# Altium PCB Double-Width Hub Bridge.PcbDoc (part 2 of 3)
Units mm, origin at the board's own origin, x right, y up, seen from the top; angles counter-clockwise.
Board outline 120 x 42.8 mm, 10 copper layers (Top Layer, Layer 2, Layer 3, Layer 4, Layer 5, Layer 6, Layer 7, Layer 8, Layer 9, Bottom Layer), stack 1.595 mm thick; 132 components, 172 nets, 1094 pads, 369 vias.
Unrouted connection lines stored in the file: 40.
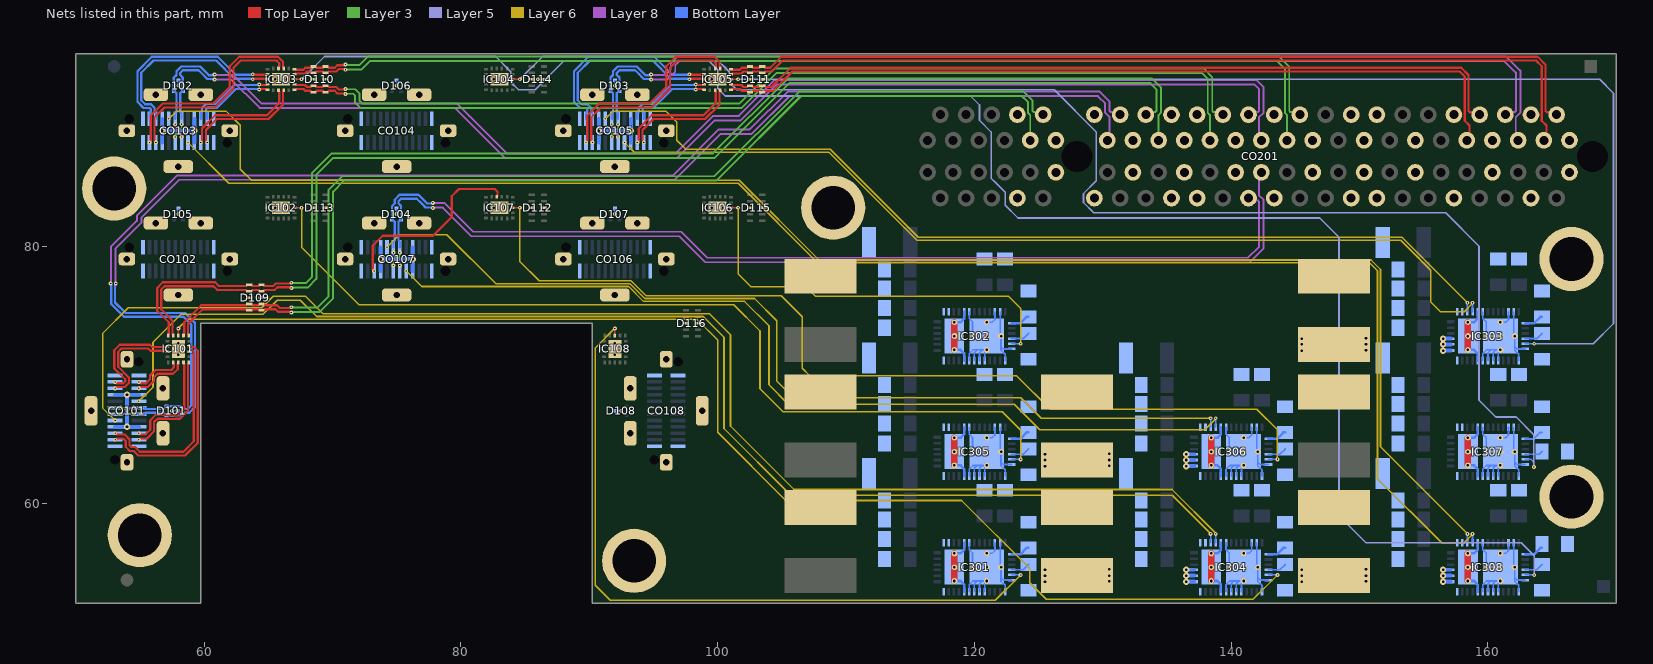
[diagram p10: the nets of this part, all layers, seen from the top]

## Via types
v1: diameter 0.3, hole 0.1, Top Layer to Bottom Layer, 185 vias
v2: diameter 0.5, hole 0.2, Top Layer to Bottom Layer, 104 vias
v3: diameter 0.45, hole 0.2, Top Layer to Bottom Layer, 80 vias

## Nets (pads, with @x,y where several pads share a name; then routed paths per layer and width w, separated by ;. In a path a pad name is that pad's centre, name@x,y a point inside that pad or via, vN(x,y) a via of type N, cw(c..) or ccw(c..) an arc to the next point about the centre after c; other vN are vias at no path point) (continued)
GND: C301.2 C302.2 C303.2 C304.2 C305.2 C306.2 C307.2 C308.2 C309.2 C310.2 C311.2 C312.2 C313.2 C314.2 C315.2 C316.2 C317.2 C318.2 C319.2 C320.2 C321.2 C322.2 C323.2 C324.2 C325.2 C326.2 C327.2 C328.2 C329.2 C330.2 C331.2 C332.2 C333.2 C334.2 C335.2 C336.2 C338.2 C340.2 C342.2 C344.2 C345.2 C346.2 C347.2 C348.2 C349.2 C350.2 C351.2 C352.2 C353.2 C354.2 C355.2 C356.2 C357.2 C358.2 C359.2 C360.2 C361.2 C362.2 C363.2 C364.2 C365.2 C366.2 C367.2 C368.2 C369.2 C370.2 C371.2 C372.2 C373.2 C374.2 C375.2 C376.2 C377.2 C378.2 C379.2 C380.2 C382.2 C384.2 C386.2 C388.2 CO101.1 CO101.12 CO101.21 CO101.32 CO101.SH CO102.1 CO102.12 CO102.21 CO102.32 CO102.SH CO103.1 CO103.12 CO103.21 CO103.32 CO103.SH CO104.1 CO104.12 CO104.21 CO104.32 CO104.SH CO105.1 CO105.12 CO105.21 CO105.32 CO105.SH CO106.1 CO106.12 CO106.21 CO106.32 CO106.SH CO107.1 CO107.12 CO107.21 CO107.32 CO107.SH CO108.1 CO108.12 CO108.21 CO108.32 CO108.SH CO201.A8 CO201.A11 CO201.A12 CO201.A15 CO201.A18 CO201.A19 CO201.A20 CO201.A23 CO201.A26 CO201.A29 CO201.A32 CO201.A33 CO201.A34 CO201.A37 CO201.A40 CO201.A43 CO201.A46 CO201.A49 CO201.B8 CO201.B11 CO201.B12 CO201.B15 CO201.B18 CO201.B19 CO201.B20 CO201.B23 CO201.B26 CO201.B29 CO201.B32 CO201.B33 CO201.B34 CO201.B37 CO201.B40 CO201.B43 CO201.B46 CO201.B49 D101.3 D102.3 D103.3 D104.3 D105.3 D106.3 D107.3 D108.3 D109.3 D109.8 D110.3 D110.8 D111.3 D111.8 D112.3 D112.8 D113.3 D113.8 D114.3 D114.8 D115.3 D115.8 D116.3 D116.8 H1.1 H2.1 H3.1 H4.1 H5.1 H6.1 IC101.19 IC102.19 IC103.19 IC104.19 IC105.19 IC106.19 IC107.19 IC108.19 IC301.6 IC301.7 IC301.11 IC301.12 IC301.13 IC301.14 IC301.19 IC301.26 IC301.27 IC301.31 IC301.36 IC301.37 IC301.39 IC302.6 IC302.7 IC302.11 IC302.12 IC302.13 IC302.14 IC302.19 IC302.26 IC302.27 IC302.31 IC302.36 IC302.37 IC302.39 IC303.6 IC303.7 IC303.11 IC303.12 IC303.13 IC303.14 IC303.19 IC303.26 IC303.27 IC303.31 IC303.36 IC303.37 IC303.39 IC304.6 IC304.7 IC304.11 IC304.12 IC304.13 IC304.14 IC304.19 IC304.26 IC304.27 IC304.31 IC304.36 IC304.37 IC304.39 IC305.6 IC305.7 IC305.11 IC305.12 IC305.13 IC305.14 IC305.19 IC305.26 IC305.27 IC305.31 IC305.36 IC305.37 IC305.39 IC306.6 IC306.7 IC306.11 IC306.12 IC306.13 IC306.14 IC306.19 IC306.26 IC306.27 IC306.31 IC306.36 IC306.37 IC306.39 IC307.6 IC307.7 IC307.11 IC307.12 IC307.13 IC307.14 IC307.19 IC307.26 IC307.27 IC307.31 IC307.36 IC307.37 IC307.39 IC308.6 IC308.7 IC308.11 IC308.12 IC308.13 IC308.14 IC308.19 IC308.26 IC308.27 IC308.31 IC308.36 IC308.37 IC308.39 | length 107.1
  Bottom Layer w0.127: v1(57.5,67.18) D101.3@57.925,67.18 ; v1(58,82.5) D105.3@58,82.925 ; v1(58,92.5) D102.3@58,92.925 ; v1(75,82.5) D104.3@75,82.925 ; v1(75,92.5) D106.3@75,92.925 ; v1(92,82.5) D107.3@92,82.925 ; v1(92,92.5) D103.3@92,92.925 ; D108.3@92.075,67.18 v1(92.5,67.18) ; IC301.14@119.6,53.1 119.6,53.635 119.89,53.925 IC301.39@120.222,53.925 ; IC301.31@119.6,56.9 119.6,56.365 119.855,56.11 v3(119.855,55) ; IC305.14@119.6,62.1 119.6,62.635 119.89,62.925 IC305.39@120.222,62.925 ; IC305.31@119.6,65.9 119.6,65.365 119.855,65.11 v3(119.855,64) ; IC302.14@119.6,71.1 119.6,71.635 119.89,71.925 IC302.39@120.222,71.925 ; IC302.31@119.6,74.9 119.6,74.365 119.855,74.11 v3(119.855,73) ; IC301.13@120,53.1 120,53.703 IC301.39@120.222,53.925 ; IC305.13@120,62.1 120,62.703 IC305.39@120.222,62.925 ; IC302.13@120,71.1 120,71.703 IC302.39@120.222,71.925 ; IC301.12@120.4,53.1 120.4,53.703 IC301.39@120.622,53.925 ; IC305.12@120.4,62.1 120.4,62.703 IC305.39@120.622,62.925 ; IC302.12@120.4,71.1 120.4,71.703 IC302.39@120.622,71.925 ; IC301.11@120.8,53.1 120.8,53.76 v3(120.965,53.925) IC301.39@120.622,53.925 ; IC305.11@120.8,62.1 120.8,62.76 v3(120.965,62.925) IC305.39@120.622,62.925 ; IC302.11@120.8,71.1 120.8,71.76 v3(120.965,71.925) IC302.39@120.622,71.925 ; v3(120.965,56.075) 121.378,56.075 121.6,56.296 IC301.36@121.6,56.9 ; v3(120.965,65.075) 121.378,65.075 121.6,65.296 IC305.36@121.6,65.9 ; v3(120.965,74.075) 121.378,74.075 121.6,74.296 IC302.36@121.6,74.9 ; IC301.37@122,56.9 122,55.075 v3(122.075,55) IC301.39@122.075,54.186 ; IC305.37@122,65.9 122,64.075 v3(122.075,64) IC305.39@122.075,63.186 ; IC302.37@122,74.9 122,73.075 v3(122.075,73) IC302.39@122.075,72.186 ; IC301.7@122.4,53.1 122.4,53.59 122.287,53.703 122.262,53.703 122.075,53.89 IC301.39@122.075,54.186 ; IC305.7@122.4,62.1 122.4,62.59 122.287,62.703 122.262,62.703 122.075,62.89 IC305.39@122.075,63.186 ; IC302.7@122.4,71.1 122.4,71.59 122.287,71.703 122.262,71.703 122.075,71.89 IC302.39@122.075,72.186 ; IC301.6@122.9,54 122.262,54 IC301.39@122.075,54.186 ; IC305.6@122.9,63 122.262,63 IC305.39@122.075,63.186 ; IC302.6@122.9,72 122.262,72 IC302.39@122.075,72.186 ; IC304.14@139.6,53.1 139.6,53.635 139.89,53.925 IC304.39@140.222,53.925 ; IC304.31@139.6,56.9 139.6,56.365 139.855,56.11 v3(139.855,55) ; IC306.14@139.6,62.1 139.6,62.635 139.89,62.925 IC306.39@140.222,62.925 ; IC306.31@139.6,65.9 139.6,65.365 139.855,65.11 v3(139.855,64) ; IC304.13@140,53.1 140,53.703 IC304.39@140.222,53.925 ; IC306.13@140,62.1 140,62.703 IC306.39@140.222,62.925 ; IC304.12@140.4,53.1 140.4,53.703 IC304.39@140.621,53.925 ; IC306.12@140.4,62.1 140.4,62.703 IC306.39@140.621,62.925 ; IC304.11@140.8,53.1 140.8,53.76 v3(140.965,53.925) IC304.39@140.621,53.925 ; IC306.11@140.8,62.1 140.8,62.76 v3(140.965,62.925) IC306.39@140.621,62.925 ; v3(140.965,56.075) 141.378,56.075 141.6,56.296 IC304.36@141.6,56.9 ; v3(140.965,65.075) 141.378,65.075 141.6,65.296 IC306.36@141.6,65.9 ; IC304.37@142,56.9 142,55.075 v3(142.075,55) IC304.39@142.075,54.186 ; IC306.37@142,65.9 142,64.075 v3(142.075,64) IC306.39@142.075,63.186 ; IC304.7@142.4,53.1 142.4,53.59 142.287,53.703 142.261,53.703 142.075,53.89 IC304.39@142.075,54.186 ; IC306.7@142.4,62.1 142.4,62.59 142.287,62.703 142.261,62.703 142.075,62.89 IC306.39@142.075,63.186 ; IC304.6@142.9,54 142.261,54 IC304.39@142.075,54.186 ; IC306.6@142.9,63 142.261,63 IC306.39@142.075,63.186 ; IC308.14@159.6,53.1 159.6,53.635 159.89,53.925 IC308.39@160.222,53.925 ; IC308.31@159.6,56.9 159.6,56.365 159.855,56.11 v3(159.855,55) ; IC307.14@159.6,62.1 159.6,62.635 159.89,62.925 IC307.39@160.222,62.925 ; IC307.31@159.6,65.9 159.6,65.365 159.855,65.11 v3(159.855,64) ; IC303.14@159.6,71.1 159.6,71.635 159.89,71.925 IC303.39@160.222,71.925 ; IC303.31@159.6,74.9 159.6,74.365 159.855,74.11 v3(159.855,73) ; IC308.13@160,53.1 160,53.703 IC308.39@160.222,53.925 ; IC307.13@160,62.1 160,62.703 IC307.39@160.222,62.925 ; IC303.13@160,71.1 160,71.703 IC303.39@160.222,71.925 ; IC308.12@160.4,53.1 160.4,53.703 IC308.39@160.621,53.925 ; IC307.12@160.4,62.1 160.4,62.703 IC307.39@160.621,62.925 ; IC303.12@160.4,71.1 160.4,71.703 IC303.39@160.621,71.925 ; IC308.11@160.8,53.1 160.8,53.76 v3(160.965,53.925) IC308.39@160.621,53.925 ; IC307.11@160.8,62.1 160.8,62.76 v3(160.965,62.925) IC307.39@160.621,62.925 ; IC303.11@160.8,71.1 160.8,71.76 v3(160.965,71.925) IC303.39@160.621,71.925 ; v3(160.965,56.075) 161.378,56.075 161.6,56.296 IC308.36@161.6,56.9 ; v3(160.965,65.075) 161.378,65.075 161.6,65.296 IC307.36@161.6,65.9 ; v3(160.965,74.075) 161.378,74.075 161.6,74.296 IC303.36@161.6,74.9 ; IC308.37@162,56.9 162,55.075 v3(162.075,55) IC308.39@162.075,54.186 ; IC307.37@162,65.9 162,64.075 v3(162.075,64) IC307.39@162.075,63.186 ; IC303.37@162,74.9 162,73.075 v3(162.075,73) IC303.39@162.075,72.186 ; IC308.7@162.4,53.1 162.4,53.59 162.287,53.703 162.261,53.703 162.075,53.89 IC308.39@162.075,54.186 ; IC307.7@162.4,62.1 162.4,62.59 162.287,62.703 162.261,62.703 162.075,62.89 IC307.39@162.075,63.186 ; IC303.7@162.4,71.1 162.4,71.59 162.287,71.703 162.261,71.703 162.075,71.89 IC303.39@162.075,72.186 ; IC308.6@162.9,54 162.261,54 IC308.39@162.075,54.186 ; IC307.6@162.9,63 162.261,63 IC307.39@162.075,63.186 ; IC303.6@162.9,72 162.261,72 IC303.39@162.075,72.186 ; IC301.39@120.222,53.925 IC301.39@120.622,53.925 ; IC305.39@120.222,62.925 IC305.39@120.622,62.925 ; IC302.39@120.222,71.925 IC302.39@120.622,71.925 ; IC304.39@140.222,53.925 IC304.39@140.621,53.925 ; IC306.39@140.222,62.925 IC306.39@140.621,62.925 ; IC308.39@160.222,53.925 IC308.39@160.621,53.925 ; IC307.39@160.222,62.925 IC307.39@160.621,62.925 ; IC303.39@160.222,71.925 IC303.39@160.621,71.925
  other v1: 86,93
  other v3: 120.965,55 140.965,55 160.965,55 120.965,64 140.965,64 160.965,64 58,71.55 92,71.55 58,72.45 92,72.45 120.965,73 160.965,73 65.55,83 66.45,83 82.55,83 83.45,83 99.55,83 100.45,83 65.55,93 66.45,93 82.55,93 83.45,93 99.55,93 100.45,93
U0_DRAIN: IC304.15 IC304.30 IC304.40 | length 5
  Top Layer w0.5: v3(138.44,53.925) v3(138.44,55) v3(138.44,56.075)
  Bottom Layer w0.2: v3(138.44,53.925) 138.92,53.925 139.2,53.645 IC304.15@139.2,53.1 ; v3(138.44,56.075) 138.92,56.075 139.2,56.355 IC304.30@139.2,56.9
U0_LDO_1V5: C330.1 IC304.4 | length 1.5
  Bottom Layer w0.15: IC304.4@142.9,54.8 143.8,54.8 C330.1@144.2,55.2
U0_LDO_3V3: C329.1 IC304.1 | length 1.5
  Bottom Layer w0.2: IC304.1@142.9,56 143.575,56 144.075,56.5 C329.1@144.2,56.5
U0_SEL: IC101.16 IC304.5 | length 101.8
  Top Layer w0.127: IC101.16@58,73.05 v1(58,73.6)
  Layer 6 w0.127: v1(58,73.6) 58.7,74.3 98.4,74.3 100,72.7 100,65.5 105.3,60.2 119,60.2 124.3,54.9 124.3,53.8 125.6,52.5 141.7,52.5 v1(143.6,54.4)
  Bottom Layer w0.127: IC304.5@142.9,54.4 v1(143.6,54.4)
U1_DRAIN: IC308.15 IC308.30 IC308.40 | length 5
  Top Layer w0.5: v3(158.44,53.925) v3(158.44,55) v3(158.44,56.075)
  Bottom Layer w0.2: v3(158.44,53.925) 158.92,53.925 159.2,53.645 IC308.15@159.2,53.1 ; v3(158.44,56.075) 158.92,56.075 159.2,56.355 IC308.30@159.2,56.9
U1_LDO_1V5: C374.1 IC308.4 | length 1.5
  Bottom Layer w0.15: IC308.4@162.9,54.8 163.8,54.8 C374.1@164.2,55.2
U1_LDO_3V3: C373.1 IC308.1 | length 1.5
  Bottom Layer w0.2: IC308.1@162.9,56 163.575,56 164.075,56.5 C373.1@164.2,56.5
U1_SEL: IC103.16 IC308.5 | length 134.9
  Top Layer w0.127: IC103.16@67.05,93 v1(67.6,93)
  Layer 5 w0.127: v1(67.6,93) 69.382,94.782 82.718,94.782 83.9,93.6 83.9,92.775 84.488,92.187 85.787,92.187 88,94.4 99.35,94.4 100,93.75 100,92.3 100.6,91.7 119.7,91.7 120.4,91 120.4,89.8 121.3,88.9 121.3,85.3 121.7,84.9 122.4,84.2 122.4,83.2 123.4,82.2 146.9,82.2 148.4,80.7 148.4,59 150.5,56.9 162.6,56.9 163.6,55.9 v1(163.6,54.4)
  Bottom Layer w0.127: IC308.5@162.9,54.4 v1(163.6,54.4)
U2_DRAIN: IC303.15 IC303.30 IC303.40 | length 5
  Top Layer w0.5: v3(158.44,71.925) v3(158.44,73) v3(158.44,74.075)
  Bottom Layer w0.2: v3(158.44,71.925) 158.92,71.925 159.2,71.645 IC303.15@159.2,71.1 ; v3(158.44,74.075) 158.92,74.075 159.2,74.355 IC303.30@159.2,74.9
U2_LDO_1V5: C321.1 IC303.4 | length 1.5
  Bottom Layer w0.15: IC303.4@162.9,72.8 163.8,72.8 C321.1@164.2,73.2
U2_LDO_3V3: C320.1 IC303.1 | length 1.5
  Bottom Layer w0.2: IC303.1@162.9,74 163.575,74 164.075,74.5 C320.1@164.2,74.5
U2_SEL: IC105.16 IC303.5 | length 94.7
  Top Layer w0.127: IC105.16@101.05,93 v1(101.6,93)
  Layer 5 w0.127: v1(101.6,93) 168.7,93 169.782,91.918 169.782,73.982 168.2,72.4 v1(163.6,72.4)
  Bottom Layer w0.127: IC303.5@162.9,72.4 v1(163.6,72.4)
U3_DRAIN: IC306.15 IC306.30 IC306.40 | length 5
  Top Layer w0.5: v3(138.44,62.925) v3(138.44,64) v3(138.44,65.075)
  Bottom Layer w0.2: v3(138.44,62.925) 138.92,62.925 139.2,62.645 IC306.15@139.2,62.1 ; v3(138.44,65.075) 138.92,65.075 139.2,65.355 IC306.30@139.2,65.9
U3_LDO_1V5: C356.1 IC306.4 | length 1.5
  Bottom Layer w0.15: IC306.4@142.9,63.8 143.8,63.8 C356.1@144.2,64.2
U3_LDO_3V3: C355.1 IC306.1 | length 1.5
  Bottom Layer w0.2: IC306.1@142.9,65 143.575,65 144.075,65.5 C355.1@144.2,65.5
U3_SEL: IC107.16 IC306.5 | length 74.5
  Top Layer w0.127: IC107.16@84.05,83 v1(84.6,83)
  Layer 6 w0.127: v1(84.6,83) 84.6,78.818 86.1,77.318 93.259,77.318 94.423,76.154 104.946,76.154 106.6,74.5 106.6,70.5 107.2,69.9 123.3,69.9 125.9,67.3 142,67.3 143.6,65.7 v1(143.6,63.4)
  Bottom Layer w0.127: IC306.5@142.9,63.4 v1(143.6,63.4)
U4_DRAIN: IC305.15 IC305.30 IC305.40 | length 5
  Top Layer w0.5: v3(118.44,62.925) v3(118.44,64) v3(118.44,65.075)
  Bottom Layer w0.2: v3(118.44,62.925) 118.92,62.925 119.2,62.645 IC305.15@119.2,62.1 ; v3(118.44,65.075) 118.92,65.075 119.2,65.355 IC305.30@119.2,65.9
U4_LDO_1V5: C347.1 IC305.4 | length 1.5
  Bottom Layer w0.15: IC305.4@122.9,63.8 123.8,63.8 C347.1@124.2,64.2
U4_LDO_3V3: C346.1 IC305.1 | length 1.5
  Bottom Layer w0.2: IC305.1@122.9,65 123.575,65 124.075,65.5 C346.1@124.2,65.5
U4_SEL: IC102.16 IC305.5 | length 71.2
  Top Layer w0.127: IC102.16@67.05,83 v1(67.6,83)
  Layer 6 w0.127: v1(67.6,83) 67.6,79.9 72.065,75.435 101.265,75.435 103.3,73.4 103.3,68.9 105.1,67.1 122.175,67.1 123.6,65.675 v1(123.6,63.4)
  Bottom Layer w0.127: IC305.5@122.9,63.4 v1(123.6,63.4)
U5_DRAIN: IC307.15 IC307.30 IC307.40 | length 5
  Top Layer w0.5: v3(158.44,62.925) v3(158.44,64) v3(158.44,65.075)
  Bottom Layer w0.2: v3(158.44,62.925) 158.92,62.925 159.2,62.645 IC307.15@159.2,62.1 ; v3(158.44,65.075) 158.92,65.075 159.2,65.355 IC307.30@159.2,65.9
U5_LDO_1V5: C365.1 IC307.4 | length 1.4
  Bottom Layer w0.15: IC307.4@162.9,63.8 164,63.8 C365.1@164.2,64
U5_LDO_3V3: C364.1 IC307.1 | length 1.5
  Bottom Layer w0.15: IC307.1@162.9,65 163.575,65 164.075,65.5 C364.1@164.2,65.5
U5_SEL: IC104.16 IC307.5 | length 108.3
  Top Layer w0.127: IC104.16@84.05,93 v1(84.6,93)
  Layer 5 w0.127: v1(84.6,93) 86.382,94.782 99.718,94.782 100.9,93.6 100.9,92.775 101.488,92.187 126.213,92.187 129.5,88.9 129.5,85.1 128.5,84.1 128.5,83.4 129.3,82.6 156.7,82.6 159.3,80 159.3,68 160.6,66.7 162.2,66.7 163.575,65.325 v1(163.575,62.8)
  Bottom Layer w0.127: IC307.5@162.9,63.4 163.35,63.4 163.575,63.175 v1(163.575,62.8)
U6_DRAIN: IC302.15 IC302.30 IC302.40 | length 5
  Top Layer w0.5: v3(118.44,71.925) v3(118.44,73) v3(118.44,74.075)
  Bottom Layer w0.2: v3(118.44,71.925) 118.92,71.925 119.2,71.645 IC302.15@119.2,71.1 ; v3(118.44,74.075) 118.92,74.075 119.2,74.355 IC302.30@119.2,74.9
U6_LDO_1V5: C312.1 IC302.4 | length 1.5
  Bottom Layer w0.15: IC302.4@122.9,72.8 123.8,72.8 C312.1@124.2,73.2
U6_LDO_3V3: C311.1 IC302.1 | length 1.5
  Bottom Layer w0.2: IC302.1@122.9,74 123.575,74 124.075,74.5 C311.1@124.2,74.5
U6_SEL: IC106.16 IC302.5 | length 32.3
  Top Layer w0.127: IC106.16@101.05,83 v1(101.6,83)
  Layer 6 w0.127: v1(101.6,83) 101.6,77.835 102.6,76.835 106.886,76.835 107.621,76.1 122.65,76.1 123.6,75.15 v1(123.6,72.4)
  Bottom Layer w0.127: IC302.5@122.9,72.4 v1(123.6,72.4)
U7_DRAIN: IC301.15 IC301.30 IC301.40 | length 5
  Top Layer w0.5: v3(118.44,53.925) v3(118.44,55) v3(118.44,56.075)
  Bottom Layer w0.2: v3(118.44,53.925) 118.92,53.925 119.2,53.645 IC301.15@119.2,53.1 ; v3(118.44,56.075) 118.92,56.075 119.2,56.355 IC301.30@119.2,56.9
U7_LDO_1V5: C303.1 IC301.4 | length 1.5
  Bottom Layer w0.15: IC301.4@122.9,54.8 123.8,54.8 C303.1@124.2,55.2
U7_LDO_3V3: C302.1 IC301.1 | length 1.5
  Bottom Layer w0.2: IC301.1@122.9,56 123.575,56 124.075,56.5 C302.1@124.2,56.5
U7_SEL: IC108.16 IC301.5 | length 56.3
  Top Layer w0.127: IC108.16@92,73.05 v1(92,73.6)
  Layer 6 w0.127: v1(92,73.6) 90.468,72.068 90.468,53.6 91.65,52.418 121.618,52.418 v1(123.6,54.4)
  Bottom Layer w0.127: IC301.5@122.9,54.4 v1(123.6,54.4)
USB0_5V: C344.1 CO101.4 CO101.9 CO101.24 CO101.29 IC304.20 IC304.21 IC304.22 | length 8
  Bottom Layer w0.3: CO101.24@53.075,65.93 v2(54,65.93) ; CO101.29@53.075,68.43 v2(54,68.43) ; CO101.9@54.925,65.93 v2(54,65.93) ; CO101.4@54.925,68.43 v2(54,68.43) ; v2(136.5,53.875) IC304.20@137.1,53.875 ; v2(136.5,54.35) IC304.21@137.1,54.35 ; v2(136.5,54.8) IC304.22@137.1,54.8 ; v2(54,65.93) v2(54,68.43)
  other v2: 125.5,53.875 130.5,53.9 125.5,54.35 130.5,54.35 125.5,54.8 130.5,54.825
USB0_CC1: CO101.5 IC304.28 | length 101.2
  Layer 6 w0.127: v1(54.925,67.93) 56.022,69.027 56.022,72.522 58.2,74.7 64.6,74.7 65.7,75.8 67.5,75.8 68.773,74.527 98.873,74.527 100.5,72.9 100.5,65.8 105.7,60.6 135.4,60.6 v1(138.4,57.6)
  Bottom Layer w0.127: IC304.28@138.4,56.9 v1(138.4,57.6)
USB0_CC2: CO101.25 IC304.29 | length 107.6
  Layer 6 w0.127: v1(53.075,66.43) 52.1,67.405 52.1,73.2 54.1,75.2 64.5,75.2 65.4,76.1 67.9,76.1 69.246,74.754 99.346,74.754 101,73.1 101,66 105.95,61.05 135.393,61.05 138.8,57.643 v1(138.8,57.6)
  Bottom Layer w0.127: IC304.29@138.8,56.9 v1(138.8,57.6)
USB0_N: CO101.7 CO101.27 CO201.A13 D101.1 | length 109.2
  Layer 3 w0.125: v1(53.5,67.43) 53.75,67.43 54.25,66.93 v1(54.5,66.93)
  Layer 8 w0.15: v1(53.125,77.1) 53.1,77.125 53.1,79.805 55.125,81.83 55.125,82.226 58.074,85.175 96.675,85.175 100.25,88.75 102.65,88.75 105.6,91.7 129.6,91.7 129.7,91.6 130.175,91.125 130.175,90.393 130.536,90.032 130.536,88.436 CO201.A13@130.35,88.25
  Bottom Layer w0.175: v1(53.125,77.1) 53.101,77.076 53.101,76.988 53.075,76.962 53.075,75.625 53.9,74.8 58.524,74.8 59.3,74.024 59.3,67.476 58.854,67.03 58.34,67.03 58.14,66.83 D101.1@57.075,66.83 57.012,66.892 57.012,66.927 56.91,67.03 55.46,67.03 55.36,66.93 CO101.7@54.925,66.93
USB0_P: CO101.6 CO101.26 CO201.A14 D101.2 | length 108.3
  Layer 8 w0.125: v1(53.5,66.93) 53.75,66.93 54.25,67.43 v1(54.5,67.43)
  Layer 8 w0.15: v1(52.725,77.1) 52.75,77.125 52.75,79.95 54.775,81.975 54.775,82.371 57.929,85.525 96.53,85.525 100.105,89.1 102.505,89.1 105.455,92.05 129.745,92.05 130.525,91.27 130.525,90.538 130.613,90.45 131.15,90.45 CO201.A14@131.35,90.25
  Bottom Layer w0.175: v1(52.725,77.1) 52.749,77.076 52.749,76.988 52.775,76.962 52.775,75.501 53.776,74.5 58.4,74.5 59,73.9 59,67.6 58.73,67.33 58.34,67.33 58.14,67.53 D101.2@57.075,67.53 57.012,67.467 57.012,67.433 56.91,67.33 55.46,67.33 55.36,67.43 CO101.6@54.925,67.43
USB0_RX1_N: CO101.30 IC101.3 | length 8.1
  Top Layer w0.175: v1(53.075,68.93) 53.109,68.93 53.209,69.03 53.824,69.03 54.161,69.367 54.161,69.76 53.312,70.609 53.312,71.771 53.569,72.027 55.662,72.027 55.839,71.85 57.05,71.85 57.1,71.8 IC101.3@57.15,71.8
USB0_RX1_P: CO101.31 IC101.2 | length 8.1
  Top Layer w0.175: v1(53.075,69.43) 53.109,69.43 53.209,69.33 53.7,69.33 53.861,69.491 53.861,69.636 53.012,70.485 53.012,71.895 53.445,72.328 55.786,72.328 55.964,72.15 57.05,72.15 57.1,72.2 IC101.2@57.15,72.2
USB0_RX2_N: CO101.10 IC101.8 | length 8.5
  Top Layer w0.175: v1(54.925,65.43) 54.959,65.43 55.059,65.33 55.43,65.33 55.812,65.712 55.812,66.435 56.245,66.868 57.335,66.868 57.36,66.842 57.64,66.842 57.665,66.868 58,66.868 58.45,67.318 58.45,70.85 58.4,70.9 IC101.8@58.4,70.95
USB0_RX2_P: CO101.11 IC101.9 | length 9
  Top Layer w0.175: v1(54.925,64.93) 54.959,64.93 55.059,65.03 55.554,65.03 56.112,65.588 56.112,66.311 56.369,66.567 57.211,66.567 57.236,66.542 57.764,66.542 57.789,66.567 58.124,66.567 58.75,67.193 58.75,70.85 58.8,70.9 IC101.9@58.8,70.95
USB0_RX_N: CO201.A16 D109.2 D109.9 IC101.17 | length 96.2
  Top Layer w0.175: IC101.17@57.6,73.05 57.6,73.1 57.55,73.15 57.55,74.206 56.662,75.093 56.662,76.631 56.919,76.888 60.744,76.888 61.032,76.6 63.287,76.6 63.387,76.5 D109.2@63.525,76.5 63.662,76.5 63.762,76.6 64.237,76.6 64.337,76.5 D109.9@64.475,76.5 64.612,76.5 64.712,76.6 65.51,76.6 65.714,76.804 66.662,76.804 66.688,76.778 66.776,76.778 v1(66.8,76.754)
  Layer 3 w0.15: v1(66.8,76.754) 66.825,76.779 68.074,76.779 68.75,77.455 68.75,85.55 70.075,86.875 99.77,86.875 105.595,92.7 133.7,92.7 134.175,92.225 134.175,90.538 134.087,90.45 133.55,90.45 CO201.A16@133.35,90.25
USB0_RX_P: CO201.A17 D109.1 D109.10 IC101.18 | length 98.6
  Top Layer w0.175: IC101.18@57.2,73.05 57.2,73.1 57.25,73.15 57.25,74.081 56.362,74.969 56.362,76.755 56.795,77.188 60.869,77.188 61.156,76.9 63.288,76.9 63.387,77 D109.1@63.525,77 63.662,77 63.762,76.9 64.237,76.9 64.337,77 D109.10@64.475,77 64.612,77 64.712,76.9 65.385,76.9 65.59,77.104 66.662,77.104 66.688,77.13 66.776,77.13 v1(66.8,77.154)
  Layer 3 w0.15: v1(66.8,77.154) 66.825,77.129 67.929,77.129 68.4,77.6 68.4,85.695 69.93,87.225 99.625,87.225 105.45,93.05 133.845,93.05 134.525,92.37 134.525,90.393 134.35,90.218 CO201.A17@134.35,88.25
USB0_TX1_N: CO101.3 IC101.7 | length 4.4
  Top Layer w0.175: v1(54.925,68.93) 54.959,68.93 55.059,69.03 55.624,69.03 56.1,69.506 56.1,69.799 56.369,70.067 57.592,70.067 57.95,70.426 57.95,70.85 58,70.9 IC101.7@58,70.95
USB0_TX1_P: CO101.2 IC101.6 | length 3.9
  Top Layer w0.175: v1(54.925,69.43) 54.959,69.43 55.059,69.33 55.5,69.33 55.8,69.63 55.8,69.923 56.245,70.367 57.468,70.367 57.65,70.55 57.65,70.85 57.6,70.9 IC101.6@57.6,70.95
USB0_TX2_N: CO101.23 IC101.11 | length 14.7
  Top Layer w0.175: v1(53.075,65.43) 53.109,65.43 53.209,65.33 53.824,65.33 54.2,64.954 54.2,64.5 54.344,64.356 54.644,64.356 55,64 58.4,64 59.208,64.808 59.208,71.743 59.1,71.85 58.95,71.85 58.9,71.8 IC101.11@58.85,71.8
USB0_TX2_P: CO101.22 IC101.12 | length 15.7
  Top Layer w0.175: v1(53.075,64.93) 53.109,64.93 53.209,65.03 53.7,65.03 53.9,64.83 53.9,64.376 54.22,64.056 54.52,64.056 54.876,63.7 58.524,63.7 59.508,64.683 59.508,71.867 59.224,72.15 58.95,72.15 58.9,72.2 IC101.12@58.85,72.2
USB0_TX_N: CO201.A9 D109.5 D109.6 IC101.14 | length 82.2
  Top Layer w0.175: IC101.14@58.8,73.05 58.8,73.1 58.75,73.15 58.75,73.95 59.9,75.1 63.287,75.1 63.387,75 D109.5@63.525,75 63.662,75 63.762,75.1 64.237,75.1 64.337,75 D109.6@64.475,75 64.612,75 64.712,75.1 65.561,75.1 65.765,74.896 66.662,74.896 66.688,74.87 66.776,74.87 v1(66.8,74.846)
  Layer 3 w0.15: v1(66.8,74.846) 66.825,74.871 68.966,74.871 70.05,75.955 70.05,84.25 70.9,85.1 99.895,85.1 106.495,91.7 123.7,91.7 124.1,91.3 124.175,91.225 124.175,90.393 124.35,90.218 CO201.A9@124.35,88.25
USB0_TX_P: CO201.A10 D109.4 D109.7 IC101.15 | length 81.8
  Top Layer w0.175: IC101.15@58.4,73.05 58.4,73.1 58.45,73.15 58.45,74.074 59.776,75.4 63.287,75.4 63.387,75.5 D109.4@63.525,75.5 63.662,75.5 63.762,75.4 64.238,75.4 64.337,75.5 D109.7@64.475,75.5 64.612,75.5 64.712,75.4 65.685,75.4 65.89,75.196 66.662,75.196 66.688,75.222 66.776,75.222 v1(66.8,75.246)
  Layer 3 w0.15: v1(66.8,75.246) 66.825,75.221 68.821,75.221 69.7,76.1 69.7,84.395 70.755,85.45 99.75,85.45 106.35,92.05 123.845,92.05 124.525,91.37 124.525,90.538 124.613,90.45 125.15,90.45 CO201.A10@125.35,90.25
USB1_5V: C388.1 CO103.4 CO103.9 CO103.24 CO103.29 IC308.20 IC308.21 IC308.22 | length 8
  Bottom Layer w0.3: CO103.29@56.75,88.075 v2(56.75,89) ; CO103.4@56.75,89.925 v2(56.75,89) ; CO103.24@59.25,88.075 v2(59.25,89) ; CO103.9@59.25,89.925 v2(59.25,89) ; v2(156.5,53.875) IC308.20@157.1,53.875 ; v2(156.5,54.35) IC308.21@157.1,54.35 ; v2(156.5,54.8) IC308.22@157.1,54.8 ; v2(56.75,89) v2(59.25,89)
  other v2: 145.5,53.875 150.5,53.9 145.5,54.35 150.5,54.35 145.5,54.8 150.5,54.825
USB1_CC1: CO103.5 IC308.28 | length 125.8
  Layer 6 w0.127: v1(57.25,89.925) 57.825,90.5 61.745,90.5 62.823,89.421 62.823,86.004 63.7,85.127 101.694,85.127 107.894,78.927 150.894,78.927 151.627,78.194 151.627,64.373 v1(158.4,57.6)
  Bottom Layer w0.127: IC308.28@158.4,56.9 v1(158.4,57.6)
USB1_CC2: CO103.25 IC308.29 | length 123.5
  Layer 6 w0.127: v1(58.75,88.075) 61.925,84.9 101.6,84.9 107.8,78.7 150.8,78.7 151.4,78.1 151.4,61.9 156.4,56.9 158.143,56.9 158.8,57.557 v1(158.8,57.6) v1@158.8,57.643
  Bottom Layer w0.127: IC308.29@158.8,56.9 v1(158.8,57.6)
USB1_N: CO103.7 CO103.27 CO201.A24 D102.1 | length 97.1
  Layer 3 w0.125: v1(57.75,88.5) 57.75,88.75 58.25,89.25 v1(58.25,89.5)
  Layer 8 w0.15: v1(60.825,92.975) 60.85,93 62.1,93 64.325,90.775 79.53,90.775 80.153,90.153 83.43,86.875 96.87,86.875 99.795,89.8 101.795,89.8 104.595,92.6 141.8,92.6 142.175,92.225 142.175,90.538 142.087,90.45 141.55,90.45 CO201.A24@141.35,90.25
  Bottom Layer w0.175: CO103.7@58.25,89.925 58.25,90.36 58.15,90.46 58.15,91.026 58.15,91.91 58.253,92.013 58.288,92.013 D102.1@58.35,92.075 58.35,93.14 58.15,93.34 58.15,93.5 58.35,93.7 59.576,93.7 59.891,93.385 60.088,93.187 60.251,93.025 60.687,93.025 60.713,92.999 60.801,92.999 v1(60.825,92.975)
USB1_P: CO103.6 CO103.26 CO201.A25 D102.2 | length 99.8
  Layer 8 w0.125: v1(57.75,89.5) 57.75,89.25 58.25,88.75 v1(58.25,88.5)
  Layer 8 w0.15: v1(60.825,93.375) 60.85,93.35 62.245,93.35 64.47,91.125 79.675,91.125 80.647,90.153 83.575,87.225 96.725,87.225 99.65,90.15 101.65,90.15 104.45,92.95 141.945,92.95 142.525,92.37 142.525,90.393 142.164,90.032 142.164,88.436 CO201.A25@142.35,88.25
  Bottom Layer w0.175: CO103.6@57.75,89.925 57.75,90.36 57.85,90.46 57.85,91.15 57.85,91.91 57.747,92.013 57.713,92.013 D102.2@57.65,92.075 57.65,93.14 57.85,93.34 57.85,93.624 58.226,94 59.7,94 60.3,93.4 60.375,93.325 60.687,93.325 60.713,93.351 60.801,93.351 v1(60.825,93.375)
USB1_RX1_N: CO103.30 IC103.3 | length 15
  Top Layer w0.175: v1(56.25,88.075) 56.25,88.109 56.15,88.209 56.15,90.05 56.912,90.812 60.837,90.812 62.3,92.276 62.3,93.9 62.858,94.458 65.642,94.458 65.85,94.25 65.85,93.95 65.8,93.9 IC103.3@65.8,93.85
USB1_RX1_P: CO103.31 IC103.2 | length 16
  Top Layer w0.175: v1(55.75,88.075) 55.75,88.109 55.85,88.209 55.85,90.174 56.788,91.112 60.712,91.112 62,92.4 62,94.024 62.733,94.758 65.767,94.758 66.15,94.374 66.15,93.95 66.2,93.9 IC103.2@66.2,93.85
USB1_RX2_N: CO103.10 IC103.8 | length 6.8
  Top Layer w0.175: v1(64.3,92.6) 64.324,92.576 64.412,92.576 64.438,92.55 64.85,92.55 64.9,92.6 IC103.8@64.95,92.6
  Bottom Layer w0.175: CO103.10@59.75,89.925 59.75,90.36 59.85,90.46 59.85,90.784 60.149,91.084 60.884,91.084 62.35,92.55 64.162,92.55 64.188,92.576 64.276,92.576 v1(64.3,92.6)
USB1_RX2_P: CO103.11 IC103.9 | length 6.3
  Top Layer w0.175: v1(64.3,92.2) 64.324,92.224 64.412,92.224 64.438,92.25 64.85,92.25 64.9,92.2 IC103.9@64.95,92.2
  Bottom Layer w0.175: CO103.11@60.25,89.925 60.25,90.36 60.15,90.46 60.15,90.66 60.274,90.784 61.008,90.784 62.474,92.25 64.162,92.25 64.188,92.224 64.276,92.224 v1(64.3,92.2)
USB1_RX_N: CO201.A27 D110.2 D110.9 IC103.17 | length 83.5
  Top Layer w0.175: IC103.17@67.05,93.4 67.1,93.4 67.15,93.45 67.863,93.45 68.013,93.6 68.287,93.6 68.387,93.5 D110.2@68.525,93.5 68.662,93.5 68.762,93.6 69.237,93.6 69.337,93.5 D110.9@69.475,93.5 ; D110.9@69.612,93.5 69.712,93.6 70.3,93.6 70.5,93.8 70.887,93.8 70.913,93.774 71.001,93.774 v1(71.025,93.75)
  Layer 3 w0.15: v1(71.025,93.75) 71.05,93.775 72.27,93.775 72.915,94.42 143.58,94.42 144.175,93.825 144.175,90.393 144.35,90.218 CO201.A27@144.35,88.25
USB1_RX_P: CO201.A28 D110.1 D110.10 IC103.18 | length 82.7
  Top Layer w0.175: IC103.18@67.05,93.8 67.1,93.8 67.15,93.75 67.738,93.75 67.888,93.9 68.288,93.9 68.387,94 D110.1@68.525,94 68.662,94 68.762,93.9 69.237,93.9 69.337,94 D110.10@69.475,94 ; D110.10@69.612,94 69.712,93.9 70.176,93.9 70.376,94.1 70.887,94.1 70.913,94.126 71.001,94.126 v1(71.025,94.15)
  Layer 3 w0.15: v1(71.025,94.15) 71.05,94.125 72.125,94.125 72.77,94.77 143.725,94.77 144.525,93.97 144.525,90.538 144.613,90.45 145.15,90.45 CO201.A28@145.35,90.25
USB1_TX1_N: CO103.3 IC103.7 | length 15.2
  Top Layer w0.175: v1(63.8,93) 63.824,93.024 63.912,93.024 63.938,93.05 64.401,93.05 64.85,93.05 64.9,93 IC103.7@64.95,93
  Bottom Layer w0.175: CO103.3@56.25,89.925 56.25,90.36 56.15,90.46 56.15,90.784 55.872,91.063 55.419,91.063 55.112,91.369 55.112,93.512 56.058,94.458 60.942,94.458 62.35,93.05 63.45,93.05 63.662,93.05 63.688,93.024 63.776,93.024 v1(63.8,93)
USB1_TX1_P: CO103.2 IC103.6 | length 15.7
  Top Layer w0.175: v1(63.8,93.4) 63.824,93.376 63.912,93.376 63.938,93.35 64.525,93.35 64.85,93.35 64.9,93.4 IC103.6@64.95,93.4
  Bottom Layer w0.175: CO103.2@55.75,89.925 55.75,90.36 55.85,90.46 55.85,90.66 55.747,90.763 55.295,90.763 54.812,91.245 54.812,93.637 55.933,94.758 61.067,94.758 62.474,93.35 63.326,93.35 63.662,93.35 63.688,93.376 63.776,93.376 v1(63.8,93.4)
USB1_TX2_N: CO103.23 IC103.11 | length 9
  Top Layer w0.175: v1(59.75,88.075) 59.75,88.109 59.85,88.209 59.85,89.174 60.876,90.2 64.9,90.2 65.85,91.15 65.85,92.05 65.8,92.1 IC103.11@65.8,92.15
USB1_TX2_P: CO103.22 IC103.12 | length 9
  Top Layer w0.175: v1(60.25,88.075) 60.25,88.109 60.15,88.209 60.15,89.05 61,89.9 65.024,89.9 66.15,91.026 66.15,92.05 66.2,92.1 IC103.12@66.2,92.15
USB1_TX_N: CO201.A21 D110.5 D110.6 IC103.14 | length 78.3
  Top Layer w0.175: IC103.14@67.05,92.2 67.1,92.2 67.15,92.25 67.738,92.25 67.888,92.1 68.287,92.1 68.387,92 D110.5@68.525,92 68.662,92 68.762,92.1 69.237,92.1 69.337,92 D110.6@69.475,92 ; D110.6@69.612,92 69.712,92.1 70.176,92.1 70.376,91.9 70.887,91.9 70.913,91.874 71.001,91.874 v1(71.025,91.85)
  Layer 3 w0.15: v1(71.025,91.85) 71.05,91.875 71.625,91.875 71.7,91.8 71.775,91.725 71.775,91.18 72.18,90.775 101.87,90.775 104.595,93.5 137.7,93.5 137.9,93.3 138.175,93.025 138.175,90.393 138.35,90.218 CO201.A21@138.35,88.25
USB1_TX_P: CO201.A22 D110.4 D110.7 IC103.15 | length 77.5
  Top Layer w0.175: IC103.15@67.05,92.6 67.1,92.6 67.15,92.55 67.863,92.55 68.013,92.4 68.287,92.4 68.387,92.5 D110.4@68.525,92.5 68.662,92.5 68.762,92.4 69.238,92.4 69.337,92.5 D110.7@69.475,92.5 ; D110.7@69.612,92.5 69.712,92.4 70.3,92.4 70.5,92.2 70.887,92.2 70.913,92.226 71.001,92.226 v1(71.025,92.25)
  Layer 3 w0.15: v1(71.025,92.25) 71.05,92.225 71.77,92.225 72.125,91.87 72.125,91.325 72.325,91.125 101.725,91.125 104.45,93.85 137.845,93.85 138.525,93.17 138.525,90.538 138.613,90.45 139.15,90.45 CO201.A22@139.35,90.25
USB2_5V: C342.1 CO105.4 CO105.9 CO105.24 CO105.29 IC303.20 IC303.21 IC303.22 | length 8
  Bottom Layer w0.3: CO105.29@90.75,88.075 v2(90.75,89) ; CO105.4@90.75,89.925 v2(90.75,89) ; CO105.24@93.25,88.075 v2(93.25,89) ; CO105.9@93.25,89.925 v2(93.25,89) ; v2(156.5,71.875) IC303.20@157.1,71.875 ; v2(156.5,72.35) IC303.21@157.1,72.35 ; v2(156.5,72.8) IC303.22@157.1,72.8 ; v2(90.75,89) v2(93.25,89)
  other v2: 145.5,71.875 150.5,71.9 145.5,72.35 150.5,72.35 145.5,72.8 150.5,72.825
USB2_CC1: CO105.5 IC303.28 | length 75.1
  Layer 6 w0.127: v1(91.25,89.925) 91.825,90.5 96,90.5 96.823,89.677 96.823,88.264 97.543,87.545 108.777,87.545 115.621,80.7 153.3,80.7 v1(158.4,75.6)
  Bottom Layer w0.127: IC303.28@158.4,74.9 v1(158.4,75.6)
USB2_CC2: CO105.25 IC303.29 | length 74
  Layer 6 w0.127: v1(92.75,88.075) 93.507,87.318 108.682,87.318 115.527,80.473 153.206,80.473 155.55,78.129 155.55,75.65 156.3,74.9 158.143,74.9 158.8,75.557 v1(158.8,75.6)
  Bottom Layer w0.127: IC303.29@158.8,74.9 v1(158.8,75.6)
USB2_N: CO105.7 CO105.27 CO201.A44 D103.1 | length 80.6
  Layer 3 w0.125: v1(91.75,88.5) 91.75,88.75 92.25,89.25 v1(92.25,89.5)
  Layer 8 w0.15: v1(94.825,92.975) 94.85,93 96.095,93 96.7,93.605 96.7,94.105 97.015,94.42 161.28,94.42 162.175,93.525 162.175,90.538 162.087,90.45 161.55,90.45 CO201.A44@161.35,90.25
  Bottom Layer w0.175: CO105.7@92.25,89.925 92.25,90.36 92.15,90.46 92.15,91.026 92.15,91.91 92.253,92.013 92.287,92.013 D103.1@92.35,92.075 92.35,93.14 92.15,93.34 92.15,93.5 92.35,93.7 93.576,93.7 93.891,93.385 94.088,93.187 94.251,93.025 94.687,93.025 94.713,92.999 94.801,92.999 v1(94.825,92.975)
USB2_P: CO105.6 CO105.26 CO201.A45 D103.2 | length 83.3
  Layer 8 w0.125: v1(91.75,89.5) 91.75,89.25 92.25,88.75 v1(92.25,88.5)
  Layer 8 w0.15: v1(94.825,93.375) 94.85,93.35 95.95,93.35 96.35,93.75 96.35,94.25 96.87,94.77 161.425,94.77 162.525,93.67 162.525,90.393 162.164,90.032 162.164,88.436 CO201.A45@162.35,88.25
  Bottom Layer w0.175: CO105.6@91.75,89.925 91.75,90.36 91.85,90.46 91.85,91.15 91.85,91.91 91.747,92.013 91.712,92.013 D103.2@91.65,92.075 91.65,93.14 91.85,93.34 91.85,93.624 92.226,94 93.7,94 94.3,93.4 94.375,93.325 94.687,93.325 94.713,93.351 94.801,93.351 v1(94.825,93.375)
USB2_RX1_N: CO105.30 IC105.3 | length 15
  Top Layer w0.175: v1(90.25,88.075) 90.25,88.109 90.15,88.209 90.15,90.05 90.912,90.812 94.837,90.812 96.3,92.276 96.3,93.9 96.858,94.458 99.642,94.458 99.85,94.25 99.85,93.95 99.8,93.9 IC105.3@99.8,93.85
USB2_RX1_P: CO105.31 IC105.2 | length 16
  Top Layer w0.175: v1(89.75,88.075) 89.75,88.109 89.85,88.209 89.85,90.174 90.788,91.112 94.712,91.112 96,92.4 96,94.024 96.733,94.758 99.767,94.758 100.15,94.374 100.15,93.95 100.2,93.9 IC105.2@100.2,93.85
USB2_RX2_N: CO105.10 IC105.8 | length 6.8
  Top Layer w0.175: v1(98.3,92.6) 98.324,92.576 98.412,92.576 98.438,92.55 98.85,92.55 98.9,92.6 IC105.8@98.95,92.6
  Bottom Layer w0.175: CO105.10@93.75,89.925 93.75,90.36 93.85,90.46 93.85,90.784 94.149,91.084 94.884,91.084 96.35,92.55 98.162,92.55 98.188,92.576 98.276,92.576 v1(98.3,92.6)
USB2_RX2_P: CO105.11 IC105.9 | length 6.3
  Top Layer w0.175: v1(98.3,92.2) 98.324,92.224 98.412,92.224 98.438,92.25 98.85,92.25 98.9,92.2 IC105.9@98.95,92.2
  Bottom Layer w0.175: CO105.11@94.25,89.925 94.25,90.36 94.15,90.46 94.15,90.66 94.274,90.784 95.008,90.784 96.474,92.25 98.162,92.25 98.188,92.224 98.276,92.224 v1(98.3,92.2)
USB2_RX_N: CO201.A47 D111.2 D111.9 IC105.17 | length 69.9
  Top Layer w0.175: IC105.17@101.05,93.4 101.1,93.4 101.15,93.45 101.863,93.45 102.013,93.6 102.287,93.6 102.387,93.5 D111.2@102.525,93.5 102.662,93.5 102.762,93.6 103.237,93.6 103.337,93.5 D111.9@103.475,93.5 103.613,93.5 103.713,93.6 104.224,93.6 105.082,94.458 163.742,94.458 164.188,94.012 164.188,89.778 164.565,89.4 164.565,88.465 CO201.A47@164.35,88.25
USB2_RX_P: CO201.A48 D111.1 D111.10 IC105.18 | length 68.9
  Top Layer w0.175: IC105.18@101.05,93.8 101.1,93.8 101.15,93.75 101.738,93.75 101.888,93.9 102.288,93.9 102.387,94 D111.1@102.525,94 102.662,94 102.762,93.9 103.237,93.9 103.337,94 D111.10@103.475,94 103.613,94 103.713,93.9 104.1,93.9 104.958,94.758 163.867,94.758 164.488,94.137 164.488,90.533 164.59,90.43 165.17,90.43 CO201.A48@165.35,90.25
USB2_TX1_N: CO105.3 IC105.7 | length 15.2
  Top Layer w0.175: v1(97.8,93) 97.824,93.024 97.912,93.024 97.938,93.05 98.401,93.05 98.85,93.05 98.9,93 IC105.7@98.95,93
  Bottom Layer w0.175: CO105.3@90.25,89.925 90.25,90.36 90.15,90.46 90.15,90.784 89.872,91.063 89.419,91.063 89.112,91.369 89.112,93.512 90.058,94.458 94.942,94.458 96.35,93.05 97.45,93.05 97.662,93.05 97.688,93.024 97.776,93.024 v1(97.8,93)
USB2_TX1_P: CO105.2 IC105.6 | length 15.7
  Top Layer w0.175: v1(97.8,93.4) 97.824,93.376 97.912,93.376 97.938,93.35 98.525,93.35 98.85,93.35 98.9,93.4 IC105.6@98.95,93.4
  Bottom Layer w0.175: CO105.2@89.75,89.925 89.75,90.36 89.85,90.46 89.85,90.66 89.747,90.763 89.295,90.763 88.812,91.245 88.812,93.637 89.933,94.758 95.067,94.758 96.474,93.35 97.326,93.35 97.662,93.35 97.688,93.376 97.776,93.376 v1(97.8,93.4)
USB2_TX2_N: CO105.23 IC105.11 | length 9
  Top Layer w0.175: v1(93.75,88.075) 93.75,88.109 93.85,88.209 93.85,89.174 94.876,90.2 98.9,90.2 99.85,91.15 99.85,92.05 99.8,92.1 IC105.11@99.8,92.15
USB2_TX2_P: CO105.22 IC105.12 | length 9
  Top Layer w0.175: v1(94.25,88.075) 94.25,88.109 94.15,88.209 94.15,89.05 95,89.9 99.024,89.9 100.15,91.026 100.15,92.05 100.2,92.1 IC105.12@100.2,92.15
USB2_TX_N: CO201.A41 D111.5 D111.6 IC105.14 | length 63.4
  Top Layer w0.175: IC105.14@101.05,92.2 101.1,92.2 101.15,92.25 101.738,92.25 101.888,92.1 102.287,92.1 102.387,92 D111.5@102.525,92 102.662,92 102.762,92.1 103.237,92.1 103.337,92 D111.6@103.475,92 103.613,92 103.713,92.1 104.324,92.1 105.824,93.6 157.8,93.6 158.188,93.212 158.188,89.778 158.565,89.4 158.565,88.465 CO201.A41@158.35,88.25
USB2_TX_P: CO201.A42 D111.4 D111.7 IC105.15 | length 62.3
  Top Layer w0.175: IC105.15@101.05,92.6 101.1,92.6 101.15,92.55 101.863,92.55 102.013,92.4 102.287,92.4 102.387,92.5 D111.4@102.525,92.5 102.662,92.5 102.762,92.4 103.238,92.4 103.337,92.5 D111.7@103.475,92.5 103.613,92.5 103.712,92.4 104.2,92.4 105.7,93.9 157.924,93.9 158.488,93.337 158.488,90.533 158.59,90.43 159.17,90.43 CO201.A42@159.35,90.25
USB3_5V: C384.1 CO107.4 CO107.9 CO107.24 CO107.29 IC306.20 IC306.21 IC306.22 | length 8
  Bottom Layer w0.3: CO107.29@73.75,78.075 v2(73.75,79) ; CO107.4@73.75,79.925 v2(73.75,79) ; CO107.24@76.25,78.075 v2(76.25,79) ; CO107.9@76.25,79.925 v2(76.25,79) ; v2(136.5,62.875) IC306.20@137.1,62.875 ; v2(136.5,63.35) IC306.21@137.1,63.35 ; v2(136.5,63.8) IC306.22@137.1,63.8 ; v2(73.75,79) v2(76.25,79)
  other v2: 125.5,62.875 130.5,62.9 125.5,63.35 130.5,63.35 125.5,63.8 130.5,63.825
USB3_CC1: CO107.5 IC306.28 | length 73.9
  Layer 6 w0.127: v1(74.25,79.925) 75.225,80.9 78.9,80.9 82.71,77.091 93.165,77.091 94.329,75.927 102.873,75.927 104.6,74.2 104.6,69.5 105.9,68.2 123.6,68.2 125.2,66.6 v1(138.4,66.6)
  Bottom Layer w0.127: IC306.28@138.4,65.9 v1(138.4,66.6)
USB3_CC2: CO107.25 IC306.29 | length 72
  Layer 6 w0.127: v1(75.75,78.075) 76.961,76.864 93.071,76.864 94.235,75.7 102.1,75.7 104,73.8 104,69.2 105.5,67.7 123.1,67.7 125.1,65.7 137.943,65.7 138.8,66.557 v1(138.8,66.6)
  Bottom Layer w0.127: IC306.29@138.8,65.9 v1(138.8,66.6)
USB3_N: CO107.7 CO107.27 CO201.B25 D104.1 | length 81.1
  Layer 3 w0.125: v1(74.75,78.5) 74.75,78.75 75.25,79.25 v1(75.25,79.5)
  Layer 8 w0.15: v1(77.825,82.975) 77.85,83 78.6,83 80.825,80.775 97.025,80.775 97.8,80 99.05,78.75 141.445,78.75 142.525,79.83 142.525,83.607 142.164,83.968 142.164,85.564 CO201.B25@142.35,85.75
  Bottom Layer w0.175: CO107.7@75.25,79.925 75.25,80.36 75.15,80.46 75.15,81.026 75.15,81.91 75.253,82.013 75.287,82.013 D104.1@75.35,82.075 75.35,83.14 75.15,83.34 75.15,83.5 75.35,83.7 76.576,83.7 76.891,83.385 77.088,83.187 77.251,83.025 77.687,83.025 77.713,82.999 77.801,82.999 v1(77.825,82.975)
USB3_P: CO107.6 CO107.26 CO201.B24 D104.2 | length 79.5
  Layer 8 w0.125: v1(74.75,79.5) 74.75,79.25 75.25,78.75 v1(75.25,78.5)
  Layer 8 w0.15: v1(77.825,83.375) 77.85,83.35 78.745,83.35 79.747,82.347 79.871,82.224 80.97,81.125 97.17,81.125 98.295,80 99.195,79.1 141.3,79.1 142.175,79.975 142.175,83.462 142.087,83.55 141.55,83.55 CO201.B24@141.35,83.75
  Bottom Layer w0.175: CO107.6@74.75,79.925 74.75,80.36 74.85,80.46 74.85,81.15 74.85,81.91 74.747,82.013 74.712,82.013 D104.2@74.65,82.075 74.65,83.14 74.85,83.34 74.85,83.624 75.226,84 76.7,84 77.3,83.4 77.375,83.325 77.687,83.325 77.713,83.351 77.801,83.351 v1(77.825,83.375)
USB3_RX1_N: CO107.30 IC107.3 | length 15
  Top Layer w0.175: v1(73.25,78.075) 73.25,78.109 73.15,78.209 73.15,80.05 73.912,80.812 77.837,80.812 79.3,82.276 79.3,83.9 79.858,84.458 82.642,84.458 82.85,84.25 82.85,83.95 82.8,83.9 IC107.3@82.8,83.85